# Allegro board Learn.brd (continued)
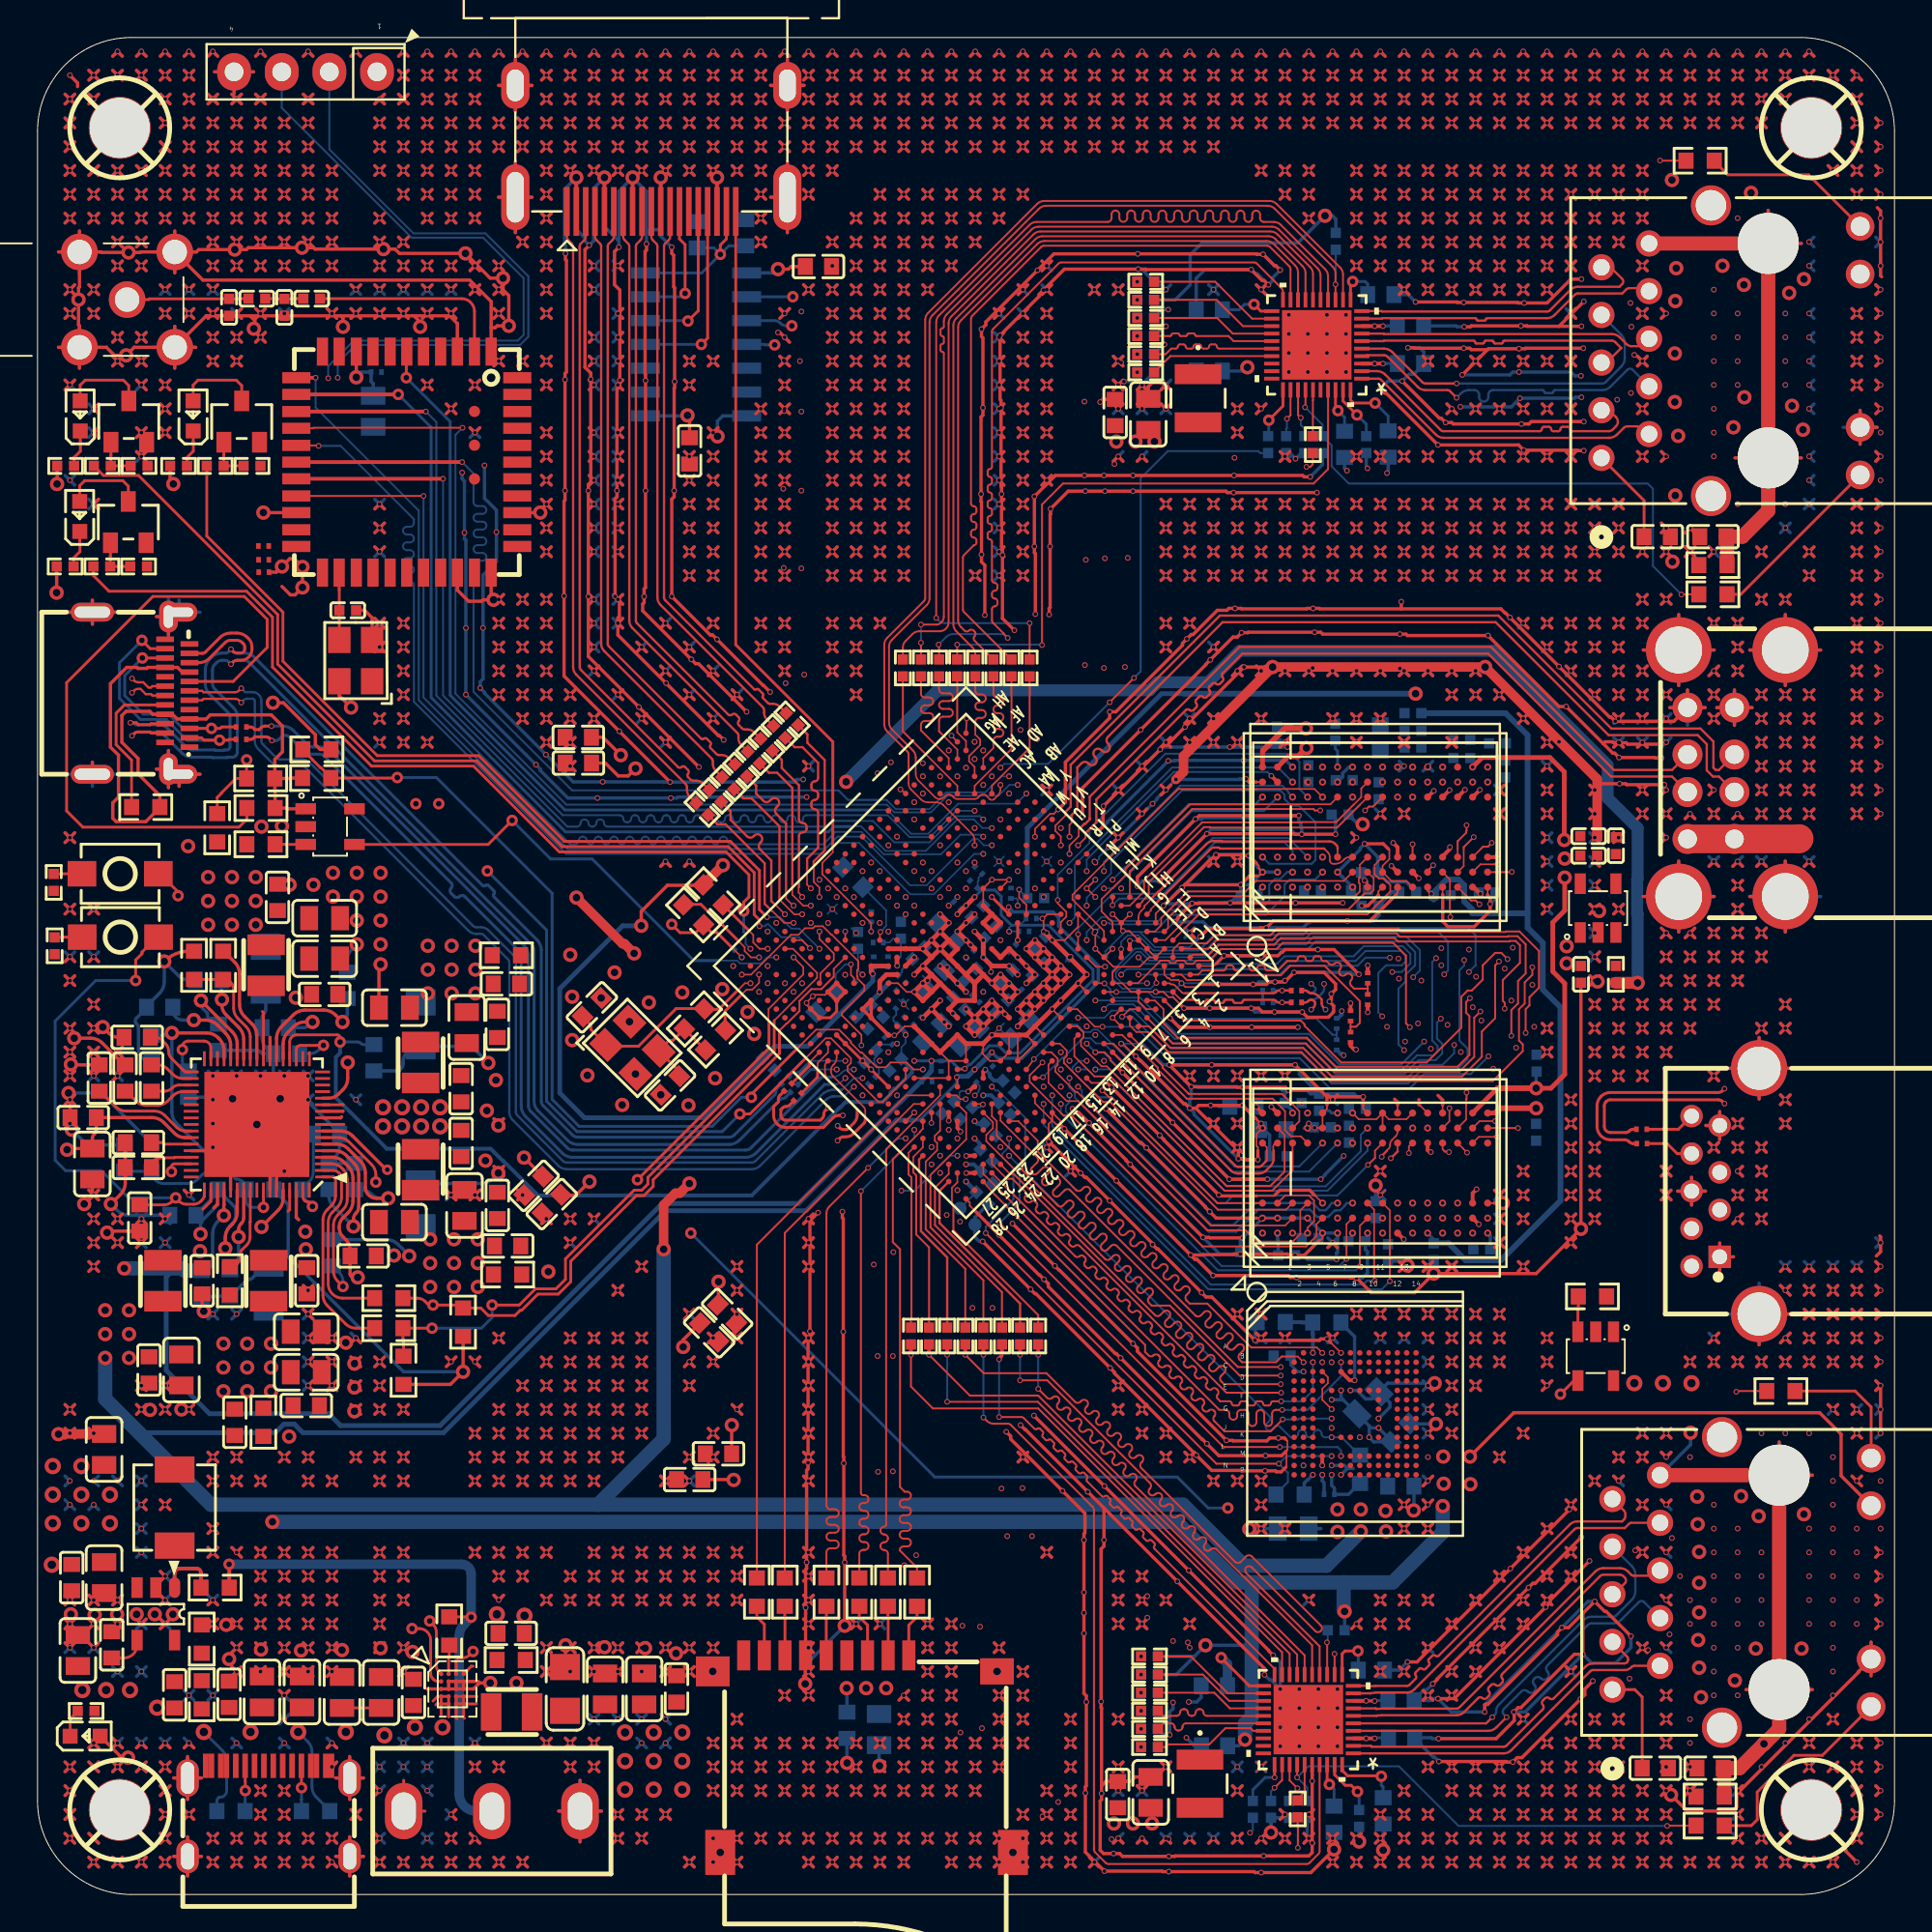
[diagram p0: board, top side]
## Routing (per net, layer and track width the routed paths; a pad name or vN(x,y) marks a point on that pad's centre or on a via; arc(x,y) is an arc through that point) (continued)
; v1(93.16,33.47) 93.42,33.73 ; v1(93.16,33.47) 92.91,33.22 ; v1(93.16,33.47) 93.42,33.22 ; v1(93.16,33.47) 92.91,33.73 ; v1(98.24,70.3) 98.5,70.56 ; v1(98.24,70.3) 97.99,70.56 ; v1(98.24,70.3) 97.99,70.05 ; v1(98.24,70.3) 98.5,70.05 ; 17.98,23.06 v1(18.23,23.31) ; v1(18.23,23.31) 18.49,23.57 ; v1(18.23,23.31) 18.49,23.06 ; v1(18.23,23.31) 17.98,23.57 ; v1(57.6,5.53) 57.86,5.79 ; v1(57.6,5.53) 57.35,5.79 ; v1(57.6,5.53) 57.86,5.28 ; v1(57.6,5.53) 57.35,5.28 ; 91.64,37.03 v1(91.89,37.28) ; v1(91.89,37.28) 91.64,37.54 ; v1(91.89,37.28) 92.15,37.54 ; v1(91.89,37.28) 92.15,37.03 ; 12.9,1.98 v1(13.15,1.72) ; v1(13.15,1.72) 12.9,1.47 ; v1(13.15,1.72) 13.41,1.98 ; v1(13.15,1.72) 13.41,1.47 ; 42.11,7.06 v1(42.36,6.8) ; v1(42.36,6.8) 42.62,7.06 ; v1(42.36,6.8) 42.62,6.55 ; v1(42.36,6.8) 42.11,6.55 ; 14.17,13.41 v1(14.42,13.15) ; v1(14.42,13.15) 14.68,13.41 ; v1(14.42,13.15) 14.68,12.9 ; v1(14.42,13.15) 14.17,12.9 ; 53.54,40.08 v1(53.79,39.82) ; v1(53.79,39.82) 53.54,39.57 ; v1(53.79,39.82) 54.05,39.57 ; v1(53.79,39.82) 54.05,40.08 ; v1(80.46,86.81) 80.72,86.56 ; v1(80.46,86.81) 80.21,87.07 ; v1(80.46,86.81) 80.72,87.07 ; v1(80.46,86.81) 80.21,86.56 ; 24.84,15.95 v1(24.58,15.69) 24.33,15.95 ; v1(85.54,81.73) 85.8,81.48 ; v1(85.54,81.73) 85.29,81.99 ; v1(85.54,81.73) 85.8,81.99 ; v1(85.54,81.73) 85.29,81.48 ; v1(57.6,25.85) 57.86,26.11 ; v1(57.6,25.85) 57.86,25.6 ; v1(57.6,25.85) 57.35,26.11 ; v1(57.6,25.85) 57.35,25.6 ; 78.94,98.5 v1(79.19,98.24) ; v1(79.19,98.24) 78.94,97.99 ; v1(79.19,98.24) 79.45,97.99 ; v1(79.19,98.24) 79.45,98.5 ; 68.78,3.25 v1(69.03,2.99) ; v1(69.03,2.99) 68.78,2.74 ; v1(69.03,2.99) 69.29,2.74 ; v1(69.03,2.99) 69.29,3.25 ; v1(24.58,18.23) 24.84,17.98 ; v1(24.58,18.23) 24.84,18.49 ; v1(24.58,18.23) 24.33,17.98 ; v1(24.58,18.23) 24.33,18.49 ; v1(80.46,85.54) 80.72,85.8 ; v1(80.46,85.54) 80.72,85.29 ; v1(80.46,85.54) 80.21,85.29 ; v1(80.46,85.54) 80.21,85.8 ; 70.05,97.23 v1(70.3,96.97) ; v1(70.3,96.97) 70.56,96.72 ; v1(70.3,96.97) 70.05,96.72 ; v1(70.3,96.97) 70.56,97.23 ; v1(49.98,5.53) 50.24,5.28 ; v1(49.98,5.53) 49.73,5.28 ; v1(49.98,5.53) 50.24,5.79 ; v1(49.98,5.53) 49.73,5.79 ; v1(76.65,81.73) 76.91,81.48 ; v1(76.65,81.73) 76.4,81.48 ; v1(76.65,81.73) 76.4,81.99 ; v1(76.65,81.73) 76.91,81.99 ; v1(41.09,29.66) 41.35,29.92 ; v1(41.09,29.66) 40.84,29.41 ; v1(41.09,29.66) 41.35,29.41 ; v1(41.09,29.66) 40.84,29.92 ; v1(74.11,15.69) 74.37,15.44 ; v1(74.11,15.69) 74.37,15.95 ; v1(74.11,15.69) 73.86,15.95 ; v1(74.11,15.69) 73.86,15.44 ; 82.75,39.57 v1(83,39.82) ; v1(83,39.82) 82.75,40.08 ; v1(83,39.82) 83.26,39.57 ; v1(83,39.82) 83.26,40.08 ; v1(34.74,94.43) 35,94.18 ; v1(34.74,94.43) 34.49,94.69 ; v1(34.74,94.43) 35,94.69 ; v1(34.74,94.43) 34.49,94.18 ; v1(34.74,1.72) 35,1.98 ; v1(34.74,1.72) 34.49,1.47 ; v1(34.74,1.72) 35,1.47 ; v1(34.74,1.72) 34.49,1.98 ; 57.35,76.4 v1(57.6,76.65) ; v1(57.6,76.65) 57.86,76.4 ; v1(57.6,76.65) 57.86,76.91 ; 92.91,28.14 v1(93.16,28.39) ; v1(93.16,28.39) 93.42,28.65 ; v1(93.16,28.39) 93.42,28.14 ; v1(93.16,28.39) 92.91,28.65 ; v1(83,49.98) 83.26,50.24 ; v1(83,49.98) 82.75,49.73 ; v1(83,49.98) 83.26,49.73 ; v1(83,49.98) 82.75,50.24 ; 7.82,97.99 v1(8.07,98.24) ; v1(8.07,98.24) 8.33,98.5 ; v1(8.07,98.24) 8.33,97.99 ; v1(8.07,98.24) 7.82,98.5 ; v1(48.71,86.81) 48.97,86.56 ; v1(48.71,86.81) 48.97,87.07 ; v1(48.71,86.81) 48.46,87.07 ; v1(48.71,86.81) 48.46,86.56 ; v1(53.79,96.97) 54.05,96.72 ; v1(53.79,96.97) 53.54,96.72 ; v1(53.79,96.97) 53.54,97.23 ; v1(53.79,96.97) 54.05,97.23 ; 10.36,43.89 v1(10.61,43.63) ; v1(10.61,43.63) 10.87,43.89 ; v1(10.61,43.63) 10.87,43.38 ; v1(10.61,43.63) 10.36,43.38 ; v1(94.43,1.72) 94.69,1.98 ; v1(94.43,1.72) 94.18,1.98 ; v1(94.43,1.72) 94.69,1.47 ; v1(94.43,1.72) 94.18,1.47 ; 77.67,73.86 v1(77.92,74.11) ; v1(77.92,74.11) 77.67,74.37 ; v1(77.92,74.11) 78.18,74.37 ; v1(77.92,74.11) 78.18,73.86 ; v1(84.27,46.17) 84.53,45.92 ; v1(84.27,46.17) 84.02,46.43 ; v1(84.27,46.17) 84.53,46.43 ; v1(84.27,46.17) 84.02,45.92 ; v1(49.98,89.35) 50.24,89.61 ; v1(49.98,89.35) 49.73,89.1 ; v1(49.98,89.35) 49.73,89.61 ; v1(49.98,89.35) 50.24,89.1 ; v1(96.97,66.49) 97.23,66.75 ; v1(96.97,66.49) 96.72,66.24 ; v1(96.97,66.49) 96.72,66.75 ; v1(96.97,66.49) 97.23,66.24 ; 96.72,28.65 v1(96.97,28.39) ; v1(96.97,28.39) 97.23,28.65 ; v1(96.97,28.39) 97.23,28.14 ; v1(96.97,28.39) 96.72,28.14 ; v1(1.72,44.9) 1.98,45.16 ; v1(1.72,44.9) 1.47,45.16 ; v1(1.72,44.9) 1.98,44.65 ; v1(1.72,44.9) 1.47,44.65 ; v1(14.42,27.12) 14.68,26.87 ; v1(14.42,27.12) 14.17,27.38 ; v1(14.42,27.12) 14.17,26.87 ; v1(14.42,27.12) 14.68,27.38 ; v1(88.08,51.25) 88.34,51.51 ; v1(88.08,51.25) 87.83,51 ; v1(88.08,51.25) 88.34,51 ; 4.01,35.76 v1(4.26,36.01) ; v1(4.26,36.01) 4.52,36.27 ; v1(4.26,36.01) 4.52,35.76 ; v1(4.26,36.01) 4.01,36.27 ; v1(53.79,76.65) 54.05,76.4 ; v1(53.79,76.65) 53.54,76.4 ; v1(53.79,76.65) 54.05,76.91 ; v1(53.79,76.65) 53.54,76.91 ; 76.4,12.14 v1(76.65,11.88) ; v1(76.65,11.88) 76.91,12.14 ; v1(76.65,11.88) 76.91,11.63 ; v1(76.65,11.88) 76.4,11.63 ; v1(74.11,95.7) 74.37,95.45 ; v1(74.11,95.7) 74.37,95.96 ; v1(74.11,95.7) 73.86,95.45 ; v1(74.11,95.7) 73.86,95.96 ; 29.41,86.56 v1(29.66,86.81) ; v1(29.66,86.81) 29.92,87.07 ; v1(29.66,86.81) 29.41,87.07 ; v1(29.66,86.81) 29.92,86.56 ; v1(83,9.34) 83.26,9.6 ; v1(83,9.34) 82.75,9.09 ; v1(83,9.34) 82.75,9.6 ; v1(83,9.34) 83.26,9.09 ; v1(72.84,61.41) 73.1,61.16 ; v1(72.84,61.41) 72.59,61.67 ; v1(72.84,61.41) 73.1,61.67 ; v1(72.84,61.41) 72.59,61.16 ; v1(46.17,88.08) 46.43,88.34 ; v1(46.17,88.08) 45.92,87.83 ; v1(46.17,88.08) 46.43,87.83 ; v1(46.17,88.08) 45.92,88.34 ; 9.09,87.83 v1(9.34,88.08) ; v1(9.34,88.08) 9.6,88.34 ; v1(9.34,88.08) 9.09,88.34 ; v1(9.34,88.08) 9.6,87.83 ; 10.36,92.91 v1(10.61,93.16) ; v1(10.61,93.16) 10.36,93.42 ; v1(10.61,93.16) 10.87,92.91 ; v1(10.61,93.16) 10.87,93.42 ; v1(67.76,15.69) 68.02,15.44 ; v1(67.76,15.69) 67.51,15.95 ; v1(67.76,15.69) 68.02,15.95 ; v1(67.76,15.69) 67.51,15.44 ; v1(4.26,22.04) 4.52,21.79 ; v1(4.26,22.04) 4.52,22.3 ; v1(4.26,22.04) 4.01,22.3 ; 91.64,38.3 v1(91.89,38.55) ; v1(91.89,38.55) 91.64,38.81 ; v1(91.89,38.55) 92.15,38.3 ; v1(91.89,38.55) 92.15,38.81 ; v1(43.63,95.7) 43.89,95.96 ; v1(43.63,95.7) 43.38,95.45 ; v1(43.63,95.7) 43.89,95.45 ; v1(43.63,95.7) 43.38,95.96 ; v1(20.77,86.81) 21.03,87.07 ; v1(20.77,86.81) 20.52,86.56 ; v1(20.77,86.81) 20.52,87.07 ; v1(20.77,86.81) 21.03,86.56 ; 26.87,25.6 v1(27.12,25.85) ; v1(27.12,25.85) 26.87,26.11 ; v1(27.12,25.85) 27.38,26.11 ; v1(27.12,25.85) 27.38,25.6 ; 97.99,64.97 v1(98.24,65.22) ; v1(98.24,65.22) 97.99,65.48 ; v1(98.24,65.22) 98.5,65.48 ; v1(98.24,65.22) 98.5,64.97 ; 28.14,12.14 v1(28.39,11.88) ; v1(28.39,11.88) 28.65,12.14 ; v1(28.39,11.88) 28.65,11.63 ; v1(28.39,11.88) 28.14,11.63 ; 73.86,91.64 v1(74.11,91.89) ; v1(74.11,91.89) 74.37,92.15 ; v1(74.11,91.89) 73.86,92.15 ; v1(74.11,91.89) 74.37,91.64 ; v1(74.11,60.14) 74.37,59.89 ; v1(74.11,60.14) 73.86,60.4 ; v1(74.11,60.14) 73.86,59.89 ; v1(74.11,60.14) 74.37,60.4 ; 6.55,93.42 v1(6.8,93.16) ; v1(6.8,93.16) 7.06,92.91 ; v1(6.8,93.16) 7.06,93.42 ; v1(6.8,93.16) 6.55,92.91 ; 33.22,94.18 v1(33.47,94.43) ; v1(33.47,94.43) 33.22,94.69 ; v1(33.47,94.43) 33.73,94.69 ; v1(33.47,94.43) 33.73,94.18 ; 61.16,67.51 v1(61.41,67.76) ; v1(61.41,67.76) 61.67,67.51 ; v1(61.41,67.76) 61.67,68.02 ; v1(61.41,67.76) 61.16,68.02 ; v1(30.93,71.57) 31.19,71.83 ; v1(30.93,71.57) 31.19,71.32 ; v1(30.93,71.57) 30.68,71.83 ; v1(30.93,71.57) 30.68,71.32 ; 90.37,4.52 v1(90.62,4.26) ; v1(90.62,4.26) 90.37,4.01 ; v1(90.62,4.26) 90.88,4.52 ; v1(90.62,4.26) 90.88,4.01 ; 26.87,23.57 v1(27.12,23.31) ; v1(27.12,23.31) 27.38,23.06 ; v1(27.12,23.31) 26.87,23.06 ; v1(27.12,23.31) 27.38,23.57 ; 9.09,91.64 v1(9.34,91.89) ; v1(9.34,91.89) 9.09,92.15 ; v1(9.34,91.89) 9.6,91.64 ; v1(9.34,91.89) 9.6,92.15 ; 45.92,95.45 v1(46.17,95.7) ; v1(46.17,95.7) 45.92,95.96 ; v1(46.17,95.7) 46.43,95.96 ; v1(46.17,95.7) 46.43,95.45 ; 64.97,50.24 v1(65.22,49.98) ; v1(65.22,49.98) 64.97,49.73 ; v1(65.22,49.98) 65.48,50.24 ; v1(65.22,49.98) 65.48,49.73 ; v1(84.27,5.53) 84.53,5.28 ; v1(84.27,5.53) 84.02,5.79 ; v1(84.27,5.53) 84.02,5.28 ; v1(84.27,5.53) 84.53,5.79 ; v1(8.07,8.07) 8.33,7.82 ; v1(8.07,8.07) 7.82,8.33 ; v1(8.07,8.07) 7.82,7.82 ; 11.63,13.41 v1(11.88,13.15) ; v1(11.88,13.15) 11.63,12.9 ; v1(11.88,13.15) 12.14,12.9 ; v1(11.88,13.15) 12.14,13.41 ; v1(36.01,98.24) 36.27,98.5 ; v1(36.01,98.24) 35.76,97.99 ; v1(36.01,98.24) 36.27,97.99 ; v1(36.01,98.24) 35.76,98.5 ; v1(80.46,74.11) 80.72,74.37 ; v1(80.46,74.11) 80.21,73.86 ; v1(80.46,74.11) 80.72,73.86 ; v1(80.46,74.11) 80.21,74.37 ; 1.47,84.02 v1(1.72,84.27) ; v1(1.72,84.27) 1.47,84.53 ; v1(1.72,84.27) 1.98,84.53 ; v1(1.72,84.27) 1.98,84.02 ; v1(41.09,93.16) 41.35,93.42 ; v1(41.09,93.16) 40.84,92.91 ; v1(41.09,93.16) 40.84,93.42 ; v1(41.09,93.16) 41.35,92.91 ; 45.92,74.37 v1(46.17,74.11) ; v1(46.17,74.11) 46.43,74.37 ; v1(46.17,74.11) 46.43,73.86 ; v1(46.17,74.11) 45.92,73.86 ; 11.63,4.52 v1(11.88,4.26) ; v1(11.88,4.26) 11.63,4.01 ; v1(11.88,4.26) 12.14,4.01 ; v1(11.88,4.26) 12.14,4.52 ; v1(62.68,2.99) 62.94,3.25 ; v1(62.68,2.99) 62.43,2.74 ; v1(62.68,2.99) 62.94,2.74 ; v1(62.68,2.99) 62.43,3.25 ; 6.55,6.55 v1(6.8,6.8) ; v1(6.8,6.8) 7.06,7.06 ; v1(6.8,6.8) 7.06,6.55 ; v1(6.8,6.8) 6.55,7.06 ; v1(63.95,61.41) 64.21,61.67 ; v1(63.95,61.41) 64.21,61.16 ; v1(63.95,61.41) 63.7,61.67 ; v1(63.95,61.41) 63.7,61.16 ; 67.51,91.64 v1(67.76,91.89) ; v1(67.76,91.89) 68.02,92.15 ; v1(67.76,91.89) 68.02,91.64 ; v1(67.76,91.89) 67.51,92.15 ; 11.63,5.28 v1(11.88,5.53) ; v1(11.88,5.53) 11.63,5.79 ; v1(11.88,5.53) 12.14,5.79 ; v1(11.88,5.53) 12.14,5.28 ; v1(98.24,25.85) 98.5,26.11 ; v1(98.24,25.85) 97.99,26.11 ; v1(98.24,25.85) 97.99,25.6 ; v1(98.24,25.85) 98.5,25.6 ; v1(25.85,81.73) 26.11,81.48 ; v1(25.85,81.73) 26.11,81.99 ; v1(25.85,81.73) 25.6,81.99 ; v1(25.85,81.73) 25.6,81.48 ; 37.03,97.23 v1(37.28,96.97) ; v1(37.28,96.97) 37.03,96.72 ; v1(37.28,96.97) 37.54,97.23 ; v1(37.28,96.97) 37.54,96.72 ; 45.92,90.88 v1(46.17,90.62) ; v1(46.17,90.62) 46.43,90.88 ; v1(46.17,90.62) 46.43,90.37 ; v1(46.17,90.62) 45.92,90.37 ; v1(23.31,24.58) 23.57,24.33 ; v1(23.31,24.58) 23.06,24.33 ; v1(23.31,24.58) 23.57,24.84 ; v1(23.31,24.58) 23.06,24.84 ; v1(93.16,62.68) 93.42,62.43 ; v1(93.16,62.68) 92.91,62.94 ; v1(93.16,62.68) 92.91,62.43 ; v1(93.16,62.68) 93.42,62.94 ; v1(42.36,65.22) 42.62,65.48 ; v1(42.36,65.22) 42.62,64.97 ; v1(42.36,65.22) 42.11,64.97 ; v1(42.36,65.22) 42.11,65.48 ; 87.83,5.28 v1(88.08,5.53) ; v1(88.08,5.53) 88.34,5.28 ; v1(88.08,5.53) 87.83,5.79 ; v1(88.08,5.53) 88.34,5.79 ; v1(2.99,74.11) 3.25,74.37 ; v1(2.99,74.11) 2.74,74.37 ; v1(2.99,74.11) 3.25,73.86 ; v1(2.99,74.11) 2.74,73.86 ; v1(81.73,39.82) 81.99,40.08 ; v1(81.73,39.82) 81.99,39.57 ; v1(81.73,39.82) 81.48,39.57 ; v1(81.73,39.82) 81.48,40.08 ; v1(80.46,2.99) 80.72,2.74 ; v1(80.46,2.99) 80.72,3.25 ; v1(80.46,2.99) 80.21,2.74 ; v1(80.46,2.99) 80.21,3.25 ; 78.94,71.32 v1(79.19,71.57) ; v1(79.19,71.57) 79.45,71.32 ; v1(79.19,71.57) 79.45,71.83 ; v1(79.19,71.57) 78.94,71.83 ; 52.27,97.99 v1(52.52,98.24) ; v1(52.52,98.24) 52.27,98.5 ; v1(52.52,98.24) 52.78,98.5 ; v1(52.52,98.24) 52.78,97.99 ; v1(41.09,94.43) 41.35,94.18 ; v1(41.09,94.43) 41.35,94.69 ; v1(41.09,94.43) 40.84,94.69 ; v1(41.09,94.43) 40.84,94.18 ; v1(33.47,98.24) 33.73,97.99 ; v1(33.47,98.24) 33.22,97.99 ; v1(33.47,98.24) 33.73,98.5 ; v1(33.47,98.24) 33.22,98.5 ; v1(51.25,74.11) 51.51,74.37 ; v1(51.25,74.11) 51,73.86 ; v1(51.25,74.11) 51,74.37 ; v1(51.25,74.11) 51.51,73.86 ; v1(57.6,96.97) 57.86,97.23 ; v1(57.6,96.97) 57.86,96.72 ; v1(57.6,96.97) 57.35,97.23 ; v1(57.6,96.97) 57.35,96.72 ; v1(18.23,72.84) 18.49,72.59 ; v1(18.23,72.84) 18.49,73.1 ; v1(18.23,72.84) 17.98,73.1 ; v1(18.23,72.84) 17.98,72.59 ; 23.06,89.61 v1(23.31,89.35) ; v1(23.31,89.35) 23.57,89.1 ; v1(23.31,89.35) 23.06,89.1 ; v1(23.31,89.35) 23.57,89.61 ; v1(70.3,76.65) 70.56,76.91 ; v1(70.3,76.65) 70.05,76.91 ; v1(70.3,76.65) 70.56,76.4 ; v1(70.3,76.65) 70.05,76.4 ; 17.98,93.42 v1(18.23,93.16) ; v1(18.23,93.16) 17.98,92.91 ; v1(18.23,93.16) 18.49,92.91 ; v1(18.23,93.16) 18.49,93.42 ; 5.28,77.67 v1(5.53,77.92) ; v1(5.53,77.92) 5.79,78.18 ; v1(5.53,77.92) 5.79,77.67 ; v1(5.53,77.92) 5.28,78.18 ; 82.75,45.16 v1(83,44.9) ; v1(83,44.9) 82.75,44.65 ; v1(83,44.9) 83.26,45.16 ; v1(83,44.9) 83.26,44.65 ; 66.24,90.37 v1(66.49,90.62) ; v1(66.49,90.62) 66.24,90.88 ; v1(66.49,90.62) 66.75,90.37 ; v1(66.49,90.62) 66.75,90.88 ; 57.35,95.45 v1(57.6,95.7) ; v1(57.6,95.7) 57.86,95.96 ; v1(57.6,95.7) 57.86,95.45 ; v1(57.6,95.7) 57.35,95.96 ; 31.95,94.69 v1(32.2,94.43) ; v1(32.2,94.43) 31.95,94.18 ; v1(32.2,94.43) 32.46,94.18 ; v1(32.2,94.43) 32.46,94.69 ; v1(61.41,61.41) 61.67,61.67 ; v1(61.41,61.41) 61.16,61.16 ; v1(61.41,61.41) 61.16,61.67 ; v1(61.41,61.41) 61.67,61.16 ; v1(61.41,95.7) 61.67,95.96 ; v1(61.41,95.7) 61.67,95.45 ; v1(61.41,95.7) 61.16,95.45 ; v1(61.41,95.7) 61.16,95.96 ; 78.94,73.1 v1(79.19,72.84) ; v1(79.19,72.84) 79.45,72.59 ; v1(79.19,72.84) 79.45,73.1 ; v1(79.19,72.84) 78.94,72.59 ; v1(47.44,10.61) 47.7,10.87 ; v1(47.44,10.61) 47.7,10.36 ; v1(47.44,10.61) 47.19,10.87 ; v1(47.44,10.61) 47.19,10.36 ; 1.47,46.43 v1(1.72,46.17) ; v1(1.72,46.17) 1.98,45.92 ; v1(1.72,46.17) 1.47,45.92 ; v1(1.72,46.17) 1.98,46.43 ; 10.36,84.02 v1(10.61,84.27) ; v1(10.61,84.27) 10.36,84.53 ; v1(10.61,84.27) 10.87,84.53 ; v1(10.61,84.27) 10.87,84.02 ; 24.33,24.84 v1(24.58,24.58) ; v1(24.58,24.58) 24.84,24.33 ; v1(24.58,24.58) 24.33,24.33 ; v1(24.58,24.58) 24.84,24.84 ; v1(66.49,76.65) 66.75,76.4 ; v1(66.49,76.65) 66.24,76.4 ; v1(66.49,76.65) 66.24,76.91 ; v1(66.49,76.65) 66.75,76.91 ; 86.56,49.73 v1(86.81,49.98) ; v1(86.81,49.98) 86.56,50.24 ; v1(86.81,49.98) 87.07,49.73 ; v1(86.81,49.98) 87.07,50.24 ; v1(30.93,2.99) 31.19,2.74 ; v1(30.93,2.99) 31.19,3.25 ; v1(30.93,2.99) 30.68,2.74 ; v1(30.93,2.99) 30.68,3.25 ; v1(11.88,43.63) 12.14,43.38 ; v1(11.88,43.63) 11.63,43.38 ; v1(11.88,43.63) 11.63,43.89 ; v1(11.88,43.63) 12.14,43.89 ; 21.79,4.52 v1(22.04,4.26) ; v1(22.04,4.26) 22.3,4.01 ; v1(22.04,4.26) 21.79,4.01 ; v1(22.04,4.26) 22.3,4.52 ; v1(75.38,11.88) 75.64,11.63 ; v1(75.38,11.88) 75.13,11.63 ; v1(75.38,11.88) 75.64,12.14 ; v1(75.38,11.88) 75.13,12.14 ; v1(18.23,74.11) 18.49,74.37 ; v1(18.23,74.11) 18.49,73.86 ; v1(18.23,74.11) 17.98,74.37 ; v1(18.23,74.11) 17.98,73.86 ; v1(23.31,80.46) 23.57,80.21 ; v1(23.31,80.46) 23.06,80.72 ; v1(23.31,80.46) 23.57,80.72 ; v1(23.31,80.46) 23.06,80.21 ; v1(62.68,62.68) 62.94,62.43 ; v1(62.68,62.68) 62.94,62.94 ; v1(62.68,62.68) 62.43,62.43 ; v1(62.68,62.68) 62.43,62.94 ; v1(9.34,22.04) 9.6,22.3 ; v1(9.34,22.04) 9.09,21.79 ; v1(9.34,22.04) 9.6,21.79 ; v1(9.34,22.04) 9.09,22.3 ; 34.49,55.32 v1(34.74,55.06) ; v1(34.74,55.06) 35,54.81 ; v1(34.74,55.06) 34.49,54.81 ; v1(34.74,55.06) 35,55.32 ; v1(77.92,34.74) 78.18,34.49 ; v1(77.92,34.74) 78.18,35 ; v1(77.92,34.74) 77.67,35 ; v1(77.92,34.74) 77.67,34.49 ; v1(66.49,98.24) 66.75,97.99 ; v1(66.49,98.24) 66.75,98.5 ; v1(66.49,98.24) 66.24,97.99 ; v1(66.49,98.24) 66.24,98.5 ; v1(81.73,65.22) 81.99,64.97 ; v1(81.73,65.22) 81.48,64.97 ; v1(81.73,65.22) 81.99,65.48 ; v1(81.73,65.22) 81.48,65.48 ; v1(93.16,57.6) 93.42,57.86 ; v1(93.16,57.6) 93.42,57.35 ; v1(93.16,57.6) 92.91,57.35 ; v1(93.16,57.6) 92.91,57.86 ; v1(28.39,63.95) 28.65,63.7 ; v1(28.39,63.95) 28.14,63.7 ; v1(28.39,63.95) 28.65,64.21 ; v1(28.39,63.95) 28.14,64.21 ; v1(55.06,94.43) 55.32,94.69 ; v1(55.06,94.43) 55.32,94.18 ; v1(55.06,94.43) 54.81,94.69 ; v1(55.06,94.43) 54.81,94.18 ; v1(33.47,8.07) 33.73,8.33 ; v1(33.47,8.07) 33.73,7.82 ; v1(33.47,8.07) 33.22,7.82 ; 84.02,63.7 v1(84.27,63.95) ; v1(84.27,63.95) 84.53,63.7 ; v1(84.27,63.95) 84.02,64.21 ; v1(84.27,63.95) 84.53,64.21 ; v1(11.88,98.24) 12.14,97.99 ; v1(11.88,98.24) 12.14,98.5 ; v1(11.88,98.24) 11.63,98.5 ; v1(11.88,98.24) 11.63,97.99 ; v1(51.25,9.34) 51.51,9.6 ; v1(51.25,9.34) 51.51,9.09 ; v1(51.25,9.34) 51,9.6 ; v1(51.25,9.34) 51,9.09 ; 5.28,81.99 v1(5.53,81.73) ; v1(5.53,81.73) 5.79,81.48 ; v1(5.53,81.73) 5.79,81.99 ; v1(5.53,81.73) 5.28,81.48 ; v1(39.82,71.57) 40.08,71.32 ; v1(39.82,71.57) 39.57,71.32 ; v1(39.82,71.57) 39.57,71.83 ; v1(39.82,71.57) 40.08,71.83 ; v1(4.26,34.74) 4.52,34.49 ; v1(4.26,34.74) 4.52,35 ; v1(4.26,34.74) 4.01,35 ; v1(4.26,34.74) 4.01,34.49 ; v1(81.73,90.62) 81.99,90.37 ; v1(81.73,90.62) 81.48,90.37 ; v1(81.73,90.62) 81.48,90.88 ; v1(81.73,90.62) 81.99,90.88 ; v1(39.82,5.53) 40.08,5.28 ; v1(39.82,5.53) 39.57,5.28 ; v1(39.82,5.53) 39.57,5.79 ; v1(39.82,5.53) 40.08,5.79 ; v1(83,1.72) 83.26,1.98 ; v1(83,1.72) 82.75,1.47 ; v1(83,1.72) 83.26,1.47 ; v1(83,1.72) 82.75,1.98 ; 52.27,8.33 v1(52.52,8.07) ; v1(52.52,8.07) 52.78,8.33 ; v1(52.52,8.07) 52.78,7.82 ; v1(52.52,8.07) 52.27,7.82 ; v1(86.81,57.6) 87.07,57.86 ; v1(86.81,57.6) 86.56,57.86 ; v1(86.81,57.6) 87.07,57.35 ; v1(86.81,57.6) 86.56,57.35 ; 39.57,2.74 v1(39.82,2.99) ; v1(39.82,2.99) 40.08,3.25 ; v1(39.82,2.99) 39.57,3.25 ; v1(39.82,2.99) 40.08,2.74 ; 11.63,15.44 v1(11.88,15.69) ; v1(11.88,15.69) 11.63,15.95 ; v1(11.88,15.69) 12.14,15.95 ; v1(11.88,15.69) 12.14,15.44 ; 19.25,21.79 v1(19.5,22.04) ; v1(19.5,22.04) 19.76,22.3 ; v1(19.5,22.04) 19.76,21.79 ; v1(19.5,22.04) 19.25,22.3 ; 77.67,97.23 v1(77.92,96.97) ; v1(77.92,96.97) 78.18,96.72 ; v1(77.92,96.97) 77.67,96.72 ; v1(77.92,96.97) 78.18,97.23 ; v1(71.57,14.42) 71.83,14.17 ; v1(71.57,14.42) 71.83,14.68 ; v1(71.57,14.42) 71.32,14.17 ; v1(71.57,14.42) 71.32,14.68 ; v1(13.15,23.31) 13.41,23.57 ; v1(13.15,23.31) 12.9,23.06 ; v1(13.15,23.31) 12.9,23.57 ; v1(13.15,23.31) 13.41,23.06 ; v1(60.14,58.87) 60.4,58.62 ; v1(60.14,58.87) 59.89,59.13 ; v1(60.14,58.87) 59.89,58.62 ; v1(60.14,58.87) 60.4,59.13 ; U17.C6 2.92,60.35 ; U17.C6 2.92,59.07 ; U17.C6 1.63,59.71 ; U17.C6 4.22,59.71 ; 53.54,18.49 v1(53.79,18.23) ; v1(53.79,18.23) 54.05,18.49 ; v1(53.79,18.23) 53.54,17.98 ; v1(53.79,18.23) 54.05,17.98 ; 59.89,97.99 v1(60.14,98.24) ; v1(60.14,98.24) 60.4,97.99 ; v1(60.14,98.24) 60.4,98.5 ; v1(60.14,98.24) 59.89,98.5 ; 93.16,51.31 U19.12 ; U19.12 93.16,55.09 ; U19.12 91.27,53.2 ; U19.12 95.05,53.2 ; v1(13.15,4.26) 13.41,4.01 ; v1(13.15,4.26) 12.9,4.01 ; v1(13.15,4.26) 13.41,4.52 ; v1(13.15,4.26) 12.9,4.52 ; 47.19,97.23 v1(47.44,96.97) ; v1(47.44,96.97) 47.19,96.72 ; v1(47.44,96.97) 47.7,97.23 ; v1(47.44,96.97) 47.7,96.72 ; 86.56,97.23 v1(86.81,96.97) ; v1(86.81,96.97) 87.07,96.72 ; v1(86.81,96.97) 86.56,96.72 ; v1(86.81,96.97) 87.07,97.23 ; v1(37.28,2.99) 37.54,3.25 ; v1(37.28,2.99) 37.03,2.74 ; v1(37.28,2.99) 37.54,2.74 ; v1(37.28,2.99) 37.03,3.25 ; 1.47,5.28 v1(1.72,5.53) ; v1(1.72,5.53) 1.47,5.79 ; v1(1.72,5.53) 1.98,5.28 ; v1(1.72,5.53) 1.98,5.79 ; 20.52,94.18 v1(20.77,94.43) ; v1(20.77,94.43) 21.03,94.69 ; v1(20.77,94.43) 20.52,94.69 ; v1(20.77,94.43) 21.03,94.18 ; 85.29,65.48 v1(85.54,65.22) ; v1(85.54,65.22) 85.29,64.97 ; v1(85.54,65.22) 85.8,64.97 ; v1(85.54,65.22) 85.8,65.48 ; v1(79.19,85.54) 79.45,85.29 ; v1(79.19,85.54) 79.45,85.8 ; v1(79.19,85.54) 78.94,85.29 ; v1(79.19,85.54) 78.94,85.8 ; 77.67,1.47 v1(77.92,1.72) ; v1(77.92,1.72) 78.18,1.47 ; v1(77.92,1.72) 77.67,1.98 ; v1(77.92,1.72) 78.18,1.98 ; 78.94,94.18 v1(79.19,94.43) ; v1(79.19,94.43) 79.45,94.69 ; v1(79.19,94.43) 79.45,94.18 ; v1(79.19,94.43) 78.94,94.69 ; v1(32.2,66.49) 32.46,66.75 ; v1(32.2,66.49) 32.46,66.24 ; v1(32.2,66.49) 31.95,66.24 ; v1(32.2,66.49) 31.95,66.75 ; v1(80.46,66.49) 80.72,66.75 ; v1(80.46,66.49) 80.72,66.24 ; v1(80.46,66.49) 80.21,66.24 ; v1(80.46,66.49) 80.21,66.75 ; v1(67.76,96.97) 68.02,97.23 ; v1(67.76,96.97) 68.02,96.72 ; v1(67.76,96.97) 67.51,96.72 ; v1(67.76,96.97) 67.51,97.23 ; v1(91.89,95.7) 92.15,95.45 ; v1(91.89,95.7) 92.15,95.96 ; v1(91.89,95.7) 91.64,95.96 ; v1(91.89,95.7) 91.64,95.45 ; 6.55,97.23 v1(6.8,96.97) ; v1(6.8,96.97) 6.55,96.72 ; v1(6.8,96.97) 7.06,96.72 ; v1(6.8,96.97) 7.06,97.23 ; v1(32.2,91.89) 32.46,92.15 ; v1(32.2,91.89) 31.95,92.15 ; v1(32.2,91.89) 31.95,91.64 ; v1(32.2,91.89) 32.46,91.64 ; v1(93.16,47.44) 93.42,47.7 ; v1(93.16,47.44) 92.91,47.7 ; v1(93.16,47.44) 93.42,47.19 ; v1(93.16,47.44) 92.91,47.19 ; 68.78,72.59 v1(69.03,72.84) ; v1(69.03,72.84) 69.29,73.1 ; v1(69.03,72.84) 69.29,72.59 ; v1(69.03,72.84) 68.78,73.1 